# KiCad board m-blanc.kicad_pcb (continued)
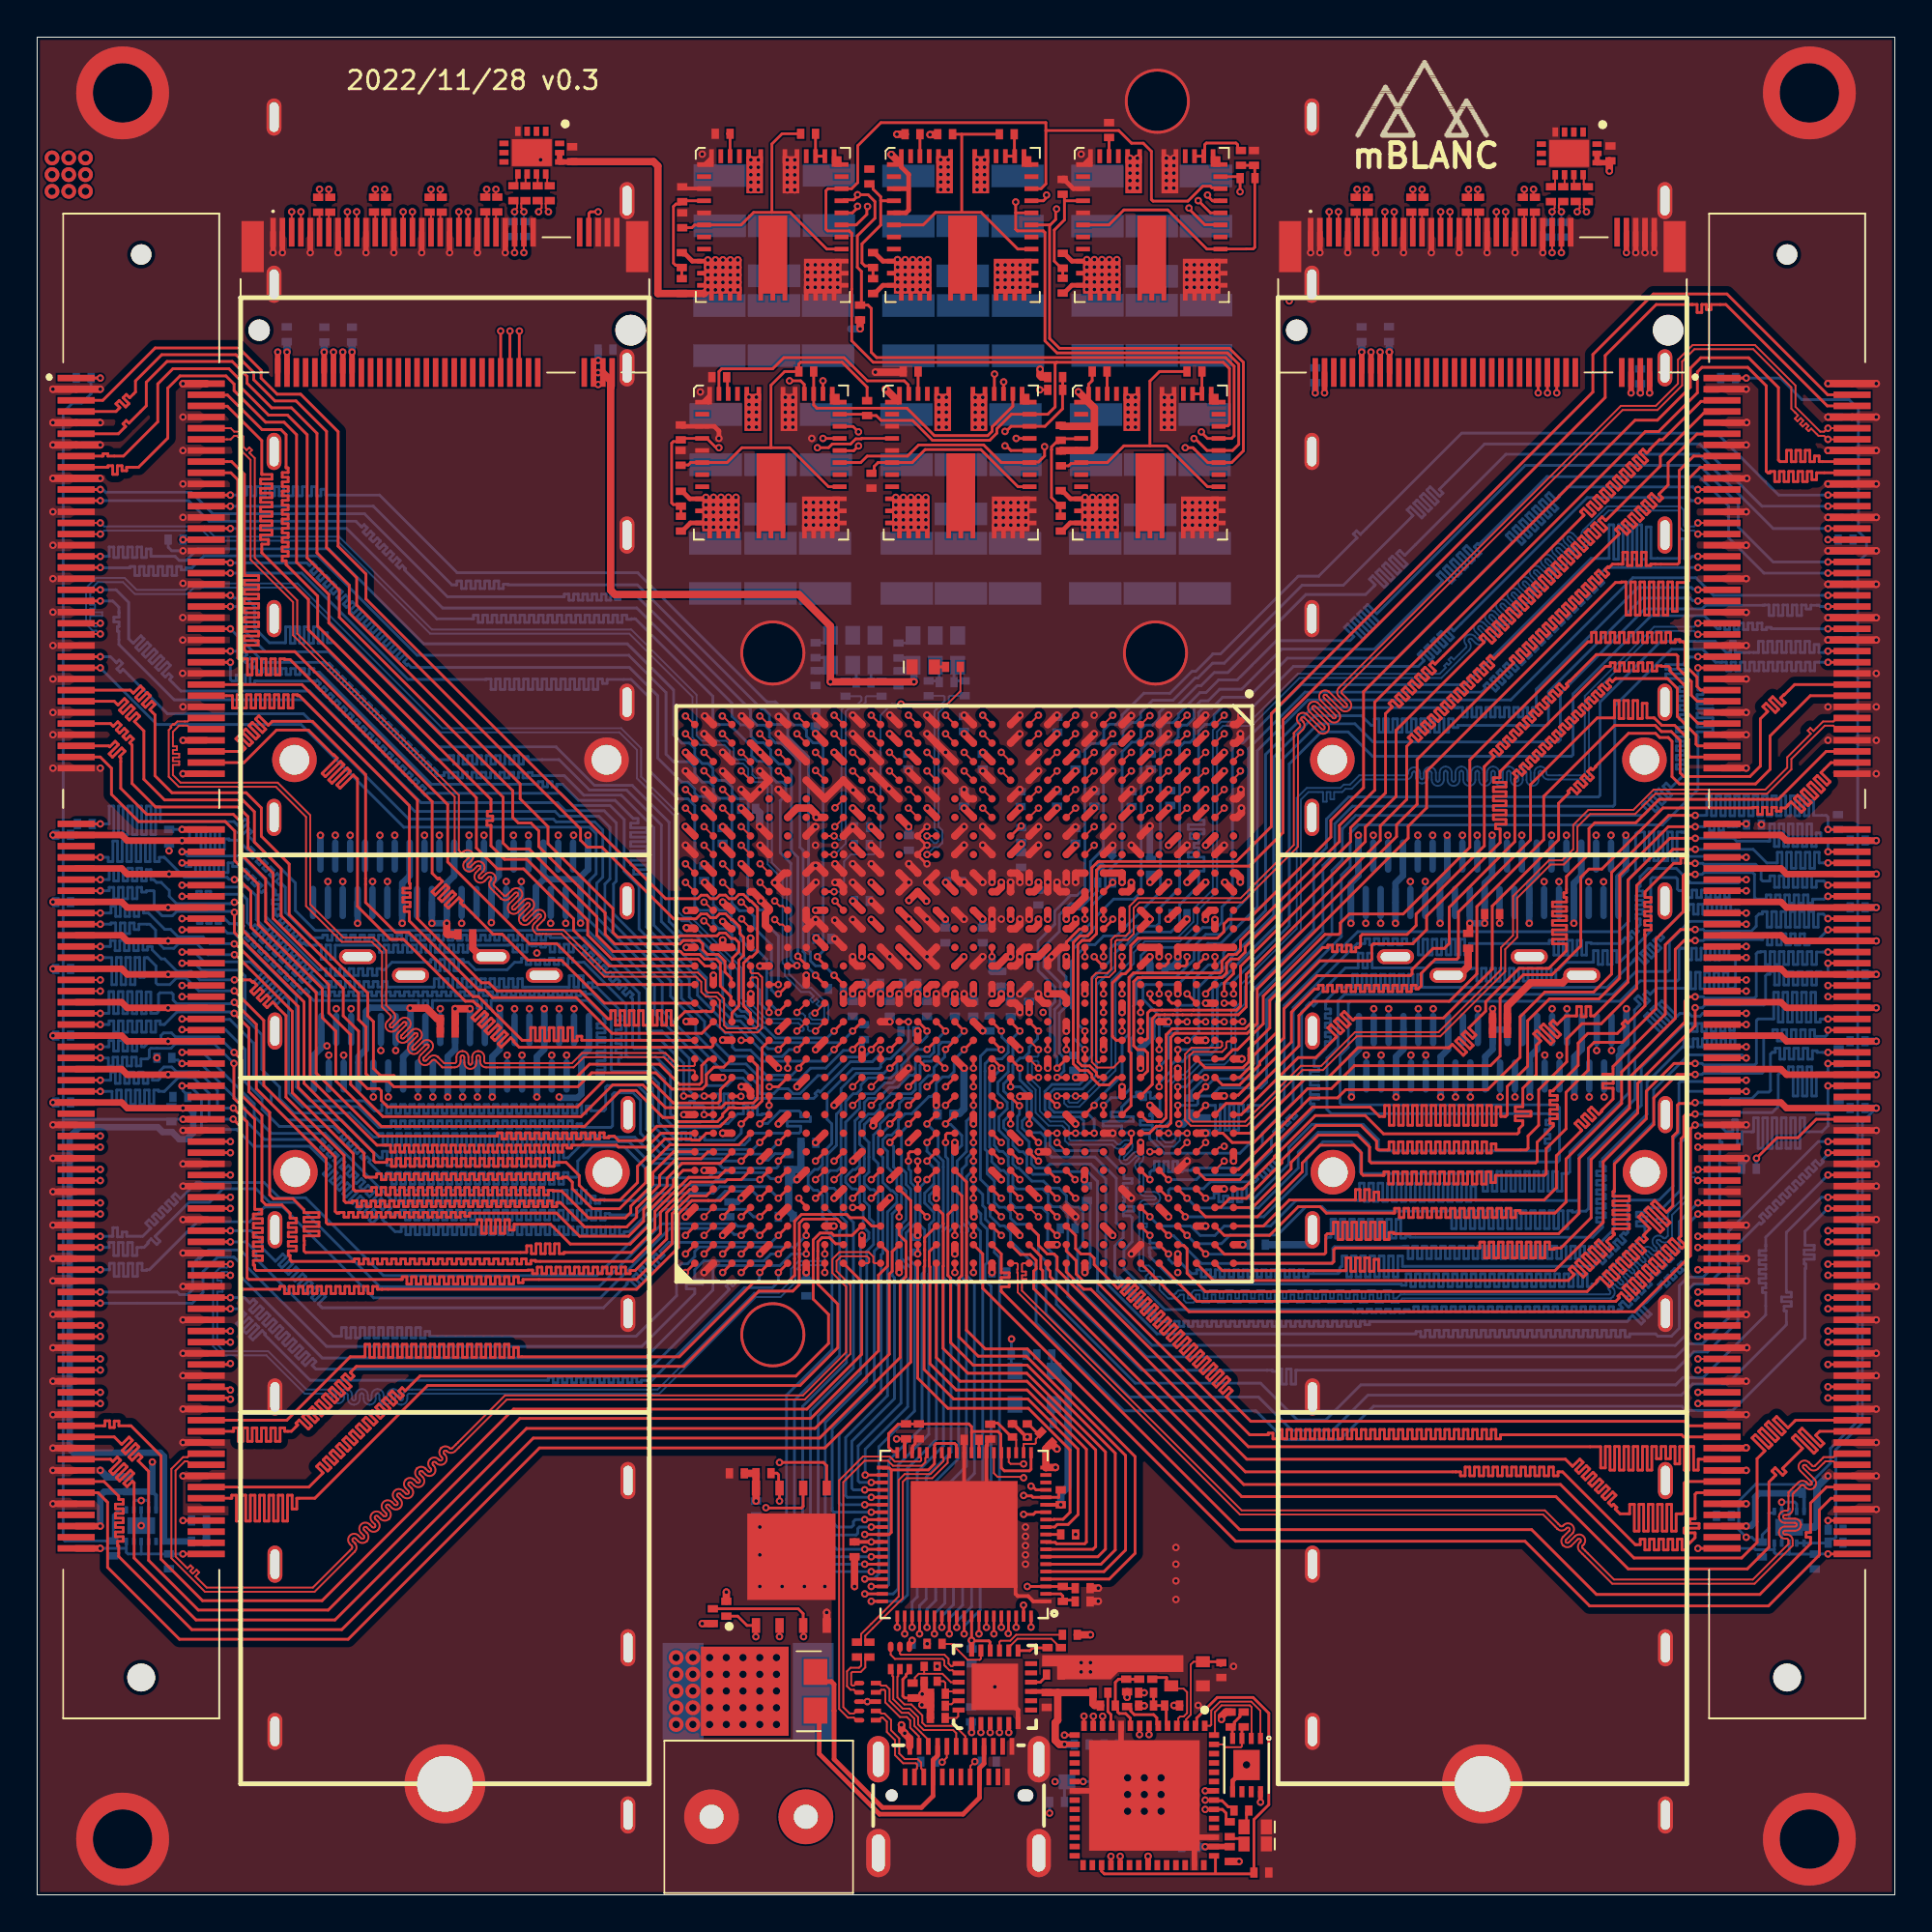
[diagram p0: board, top side]
## Routing (per net, layer and track width the routed paths; a pad name or vN(x,y) marks a point on that pad's centre or on a via; arc(x,y) is an arc through that point) (continued)
  Bottom Layer w0.1: QSFP+ #2.34 v1(73.92,54.55)
QSFP2_TX3_P: length 62.7
  Top Layer w0.1: v1(50.9,62.5) U1.P2
  InLayer2 (Signal) w0.1: 72.21,55.29 74.24,55.29 74.43,55.1 74.43,54.67 74.5,54.61 74.7,54.61 74.71,54.6 ; 72.21,55.29 72,55.29 ; 72.21,55.29 72,55.29 ; 68.07,55.31 68.21,55.17 ; 68.07,55.31 67.69,55.31 ; 68.07,55.31 67.69,55.31 ; 68.07,55.31 68.21,55.17 ; 68.21,55.17 68.21,54.62 ; 68.21,55.17 68.21,54.62 ; 71.61,54.62 71.81,54.62 ; 71.61,54.62 71.81,54.62 ; 71.61,54.62 71.61,55.17 ; 71.61,54.62 71.61,55.17 ; 71.81,54.62 71.81,55.1 ; 71.81,54.62 71.81,55.1 ; 67.69,55.31 67.56,55.17 ; 67.69,55.31 67.56,55.17 ; 69.39,55.31 69.77,55.31 ; 69.39,55.31 69.26,55.17 ; 69.39,55.31 69.26,55.17 ; 69.39,55.31 69.77,55.31 ; 69.77,55.31 69.91,55.17 ; 69.77,55.31 69.91,55.17 ; 67.56,55.17 67.56,54.62 ; 67.56,55.17 67.56,54.62 ; 69.91,54.62 70.11,54.62 ; 69.91,54.62 70.11,54.62 ; 69.91,54.62 69.91,55.17 ; 69.91,54.62 69.91,55.17 ; 70.11,54.62 70.11,55.17 ; 70.11,54.62 70.11,55.17 ; 69.26,55.17 69.26,54.62 ; 69.26,55.17 69.26,54.62 ; 71.81,55.1 72,55.29 ; 71.81,55.1 72,55.29 ; 71.47,55.31 71.61,55.17 ; 71.47,55.31 71.09,55.31 ; 71.47,55.31 71.09,55.31 ; 71.47,55.31 71.61,55.17 ; 69.06,54.62 69.06,55.17 ; 69.06,54.62 69.26,54.62 ; 69.06,54.62 69.06,55.17 ; 69.06,54.62 69.26,54.62 ; 69.06,55.17 68.92,55.31 ; 69.06,55.17 68.92,55.31 ; 68.21,54.62 68.41,54.62 ; 68.21,54.62 68.41,54.62 ; 66.71,55.17 66.84,55.31 ; 66.71,55.17 66.84,55.31 ; 66.71,55.17 66.71,55.01 ; 66.71,55.17 66.71,55.01 ; 66.84,55.31 67.22,55.31 ; 66.84,55.31 67.22,55.31 ; 70.96,55.17 71.09,55.31 ; 70.96,55.17 71.09,55.31 ; 70.96,55.17 70.96,54.62 ; 70.96,55.17 70.96,54.62 ; 70.62,55.31 70.76,55.17 ; 70.62,55.31 70.24,55.31 ; 70.62,55.31 70.24,55.31 ; 70.62,55.31 70.76,55.17 ; 70.76,55.17 70.76,54.62 ; 70.76,55.17 70.76,54.62 ; 67.56,54.62 67.36,54.62 ; 67.56,54.62 67.36,54.62 ; 68.54,55.31 68.92,55.31 ; 68.54,55.31 68.41,55.17 ; 68.54,55.31 68.41,55.17 ; 68.54,55.31 68.92,55.31 ; 67.36,54.62 67.36,55.17 ; 67.36,54.62 67.36,55.17 ; 67.36,55.17 67.22,55.31 ; 67.36,55.17 67.22,55.31 ; 70.11,55.17 70.24,55.31 ; 70.11,55.17 70.24,55.31 ; 66.32,55.29 66.51,55.1 ; 66.32,55.29 65.9,55.29 ; 66.32,55.29 66.51,55.1 ; 66.32,55.29 65.9,55.29 ; 66.51,55.1 66.51,55.01 ; 66.51,55.1 66.51,55.01 ; 65.9,55.29 65.77,55.29 65.18,54.7 65.18,54.21 65.11,54.14 49.56,54.14 49.48,54.23 49.48,55.27 49.53,55.33 49.84,55.33 49.98,55.46 49.98,55.84 49.84,55.98 49.2,55.98 49.2,56.18 49.42,56.18 49.55,56.31 49.55,56.69 49.42,56.83 49.2,56.83 49.2,57.03 49.42,57.03 49.55,57.16 49.55,57.54 49.42,57.68 49.2,57.68 49.2,57.88 49.28,57.88 49.48,58.07 49.48,59.58 49.77,59.88 50.19,59.88 50.5,60.18 50.5,61.95 50.68,61.95 50.68,62.15 50.5,62.15 50.5,62.69 50.7,62.89 50.84,62.89 50.9,62.83 v1(50.9,62.5) ; 68.41,55.17 68.41,54.62 ; 68.41,55.17 68.41,54.62 ; 70.96,54.62 70.76,54.62 ; 70.96,54.62 70.76,54.62 ; 66.51,55.01 66.71,55.01 ; 66.51,55.01 66.71,55.01
  Bottom Layer w0.1: QSFP+ #2.33 v1(74.72,54.55)
QSFP2_TX4_N: length 50.2
  Top Layer w0.1: v1(51.9,61.5) U1.N3
  InLayer2 (Signal) w0.1: v1(51.9,61.5) 51.9,61.17 51.82,61.09 51.64,61.09 51.33,60.77 51.33,59.57 51.76,59.14 51.76,55.58 51.98,55.37 64.46,55.37 64.91,55.82 64.91,55.98 64.97,56.04 73.53,56.04 73.75,56.26 73.75,58.32 73.81,58.38 73.95,58.38 74.14,58.57 74.14,58.96 74.34,58.96 74.34,58.17 74.47,58.04 74.86,58.04 74.99,58.17 74.99,59.3 75.19,59.3 75.19,58.17 75.32,58.04 75.71,58.04 75.84,58.17 75.84,59.3 76.04,59.3 76.04,58.17 76.17,58.04 76.56,58.04 76.69,58.17 76.69,59.3 76.89,59.3 76.89,58.17 77.02,58.04 77.41,58.04 77.54,58.17 77.54,58.32 77.6,58.38 77.84,58.38 77.9,58.32 77.9,57.67 77.84,57.62 74.88,57.62 74.61,57.34 74.61,57.16 74.54,57.1 74.46,57.1 74.4,57.04
  Bottom Layer w0.1: QSFP+ #2.5 v1(74.32,57.04)
QSFP2_TX4_P: length 50.4
  Top Layer w0.1: v1(51.9,60.5) U1.N4
  InLayer2 (Signal) w0.1: v1(75.12,57.04) 75.06,57.1 74.9,57.1 74.83,57.16 74.83,57.25 74.98,57.39 77.93,57.39 78.13,57.58 78.13,57.89 78.37,57.89 78.37,58.09 78.13,58.09 78.13,58.41 77.93,58.6 77.51,58.6 77.32,58.41 77.32,58.27 77.12,58.27 77.12,59.4 76.99,59.53 76.6,59.53 76.47,59.4 76.47,58.27 76.27,58.27 76.27,59.4 76.14,59.53 75.75,59.53 75.62,59.4 75.62,58.27 75.42,58.27 75.42,59.4 75.29,59.53 74.9,59.53 74.77,59.4 74.77,58.27 74.57,58.27 74.57,59.06 74.44,59.19 74.05,59.19 73.92,59.06 73.92,58.66 73.86,58.6 73.72,58.6 73.53,58.41 73.53,56.35 73.44,56.27 64.88,56.27 64.69,56.07 64.69,55.91 64.36,55.59 52.07,55.59 51.98,55.68 51.98,59.23 51.55,59.67 51.55,60.68 51.74,60.87 51.82,60.87 51.88,60.81 51.88,60.52 v1(51.9,60.5)
  Bottom Layer w0.1: QSFP+ #2.6 v1(75.12,57.04)
QSFP3_RX1_N: length 35.7
  Top Layer w0.1: v1(36.9,59.5) U1.AH5
  InLayer2 (Signal) w0.1: v1(36.9,59.5) 36.9,59.17 36.84,59.11 35.47,59.11 35.28,58.92 35.28,58.38 34.99,58.1 34.56,58.1 33.98,57.53 32.77,57.53 31.8,56.55 31.65,56.7 31.51,56.56 31.66,56.41 29.5,54.25 29.5,53.18 29.44,53.12 27.53,53.12 26.98,52.57 26.98,52.15 26.78,51.95 20.36,51.95 20.3,52.01 20.3,52.63 20.36,52.69 26.71,52.69 28.58,54.56 28.58,56.74 v1(28.88,57.04)
  Bottom Layer w0.1: v1(28.88,57.04) 28.86,57.03 28.86,55.93 QSFP+ #3.18
QSFP3_RX1_P: length 35.6
  Top Layer w0.1: v1(36.9,58.5) U1.AH6
  InLayer2 (Signal) w0.1: v1(28.05,57.04) 28.35,56.74 28.35,54.65 26.61,52.91 20.27,52.91 20.08,52.72 20.08,51.92 20.27,51.73 26.87,51.73 27.2,52.05 27.2,52.48 27.62,52.9 29.53,52.9 29.73,53.09 29.73,54.16 32.87,57.3 34.08,57.3 34.65,57.88 35.09,57.88 35.5,58.29 35.5,58.83 35.56,58.89 36.84,58.89 36.9,58.83 v1(36.9,58.5)
  Bottom Layer w0.1: QSFP+ #3.17 v1(28.05,57.04)
QSFP3_RX2_N: length 35.6
  Top Layer w0.1: v1(37.9,61.5) U1.AG3
  InLayer2 (Signal) w0.1: v1(28.45,52.3) 28.4,52.24 28.22,52.24 28.16,52.18 28.16,52.01 28.16,52 28.16,51.53 27.8,51.18 21.79,51.18 21.73,51.12 21.73,49.96 21.79,49.9 25.62,49.9 26.02,50.3 29.91,50.3 29.97,50.36 29.97,53.58 31.95,55.55 32.28,55.88 32.15,56.02 32.29,56.16 32.42,56.02 32.6,56.2 33.5,57.1 34.98,57.1 35.31,57.43 35.31,57.72 35.74,58.15 37.04,58.15 37.25,58.36 37.25,60.75 37.61,61.11 37.84,61.11 37.9,61.17 v1(37.9,61.5)
  Bottom Layer w0.1: v1(28.45,52.3) 28.45,52.3 28.45,53.42 QSFP+ #3.21
QSFP3_RX2_P: length 35.6
  Top Layer w0.1: v1(37.9,60.5) U1.AG4
  InLayer2 (Signal) w0.1: v1(27.64,52.3) 27.7,52.24 27.87,52.24 27.93,52.18 27.93,52.1 27.93,52.1 27.93,51.63 27.71,51.4 21.7,51.4 21.51,51.21 21.51,49.87 21.7,49.68 25.71,49.68 26.11,50.08 30.01,50.08 30.2,50.27 30.2,53.48 33.59,56.88 35.07,56.88 35.53,57.33 35.53,57.63 35.83,57.93 37.14,57.93 37.47,58.26 37.47,60.66 37.7,60.89 37.84,60.89 37.9,60.83 v1(37.9,60.5)
  Bottom Layer w0.1: v1(27.64,52.3) 27.65,52.31 27.65,53.42 QSFP+ #3.22
QSFP3_RX3_N: length 36.4
  Top Layer w0.1: v1(39.9,61.5) U1.AE3
  InLayer2 (Signal) w0.1: 25.64,57.02 25.69,57.08 25.87,57.08 25.93,57.14 25.93,58.05 26.18,58.3 26.45,58.3 27.03,57.72 27.17,57.86 26.59,58.44 26.59,58.71 27.07,59.19 27.21,59.19 28.34,59.19 28.53,59 28.53,58.23 28.73,58.23 28.73,59.08 28.87,59.21 29.25,59.21 29.38,59.08 29.38,58.23 29.58,58.23 29.58,59.08 29.72,59.21 30.1,59.21 30.23,59.08 30.23,58.23 30.43,58.23 30.43,59.08 30.57,59.21 30.95,59.21 31.08,59.08 31.08,58.23 31.28,58.23 31.28,59 31.48,59.19 31.69,59.19 32.63,60.14 32.94,60.14 33.13,59.94 33.13,58.52 33.33,58.52 33.33,60.57 33.46,60.7 33.85,60.7 33.98,60.57 33.98,59.52 34.18,59.52 34.18,59.94 34.37,60.14 36.22,60.14 36.28,60.19 36.28,60.91 36.47,61.1 36.99,61.1 37.25,61.36 37.25,61.77 37.61,62.12 38.09,62.12 38.51,61.7 38.51,60.18 38.57,60.12 39.22,60.12 39.28,60.18 39.28,60.92 39.47,61.11 39.84,61.11 39.9,61.17 v1(39.9,61.5)
  Bottom Layer w0.1: QSFP+ #3.14 25.64,55.93 25.64,57.03 v1(25.64,57.04)
QSFP3_RX3_P: length 36.4
  Top Layer w0.1: v1(39.9,60.5) U1.AE4
  InLayer2 (Signal) w0.1: v1(26.45,57.04) 26.39,57.09 26.22,57.09 26.15,57.16 26.15,57.96 26.27,58.07 26.35,58.07 26.93,57.49 27.12,57.49 27.39,57.77 27.39,57.95 26.81,58.53 26.81,58.61 27.17,58.97 28.25,58.97 28.31,58.91 28.31,58.14 28.44,58 28.83,58 28.96,58.14 28.96,58.98 29.16,58.98 29.16,58.14 29.29,58 29.68,58 29.81,58.14 29.81,58.98 30.01,58.98 30.01,58.14 30.14,58 30.53,58 30.66,58.14 30.66,58.98 30.86,58.98 30.86,58.14 30.99,58 31.38,58 31.51,58.14 31.51,58.91 31.57,58.97 31.78,58.97 32.11,59.29 32.24,59.16 32.39,59.3 32.25,59.43 32.73,59.91 32.85,59.91 32.9,59.85 32.9,58.43 33.04,58.3 33.42,58.3 33.55,58.43 33.55,60.47 33.75,60.47 33.75,59.42 33.89,59.29 34.27,59.29 34.4,59.42 34.4,59.85 34.46,59.91 36.31,59.91 36.5,60.1 36.5,60.82 36.56,60.88 37.09,60.88 37.47,61.26 37.47,61.67 37.7,61.9 38,61.9 38.29,61.61 38.29,60.09 38.48,59.9 39.32,59.9 39.51,60.09 39.51,60.83 39.56,60.89 39.84,60.89 39.9,60.83 v1(39.9,60.5)
  Bottom Layer w0.1: QSFP+ #3.15 26.45,55.92 26.45,57.04 v1(26.45,57.04)
QSFP3_RX4_N: length 37
  Top Layer w0.1: v1(41.9,61.5) U1.AC3
  InLayer2 (Signal) w0.1: v1(26.06,54.55) 26,54.49 25.83,54.49 25.77,54.43 25.77,54.16 25.58,53.97 24.71,53.97 24.52,54.16 24.52,59.95 25.61,61.04 25.61,61.13 25.48,61.26 25.48,61.45 25.75,61.72 25.94,61.72 26.3,61.35 26.45,61.5 26.08,61.86 26.08,62.05 26.35,62.32 26.54,62.32 26.91,61.96 27.05,62.1 26.99,62.15 26.99,62.42 27.49,62.93 31.46,62.93 32.31,62.08 36.96,62.08 37.29,62.4 37.29,63.8 37.51,64.03 42.34,64.03 42.53,63.84 42.53,62.33 42.11,61.91 41.81,61.91 41.55,61.65 41.55,61.32 41.74,61.12 41.83,61.12 41.89,61.18 41.89,61.49 v1(41.9,61.5)
  Bottom Layer w0.1: v1(26.06,54.55) 26.06,54.54 26.06,53.43 QSFP+ #3.24
QSFP3_RX4_P: length 36.9
  Top Layer w0.1: U1.AC4 42.4,60.01 41.9,60.51 v1(41.9,60.52)
  InLayer2 (Signal) w0.1: v1(25.25,54.55) 25.31,54.49 25.48,54.49 25.54,54.43 25.54,54.26 25.49,54.2 24.8,54.2 24.74,54.26 24.74,59.86 25.84,60.95 25.84,61.22 25.7,61.35 25.84,61.5 26.21,61.13 26.4,61.13 26.67,61.4 26.67,61.59 26.3,61.96 26.45,62.1 26.81,61.73 27,61.73 27.27,62 27.27,62.19 27.22,62.25 27.22,62.33 27.59,62.7 28.65,62.7 28.65,62.37 28.85,62.37 28.85,62.7 29.05,62.7 29.05,62.5 29.25,62.5 29.25,62.7 31.37,62.7 32.21,61.85 37.05,61.85 37.51,62.31 37.51,63.71 37.6,63.8 42.25,63.8 42.31,63.75 42.31,62.42 42.02,62.13 41.72,62.13 41.32,61.74 41.32,61.23 41.65,60.9 41.83,60.9 41.89,60.84 41.89,60.54 v1(41.9,60.52)
  Bottom Layer w0.1: QSFP+ #3.25 v1(25.25,54.55)
QSFP3_TX1_N: length 35
  Top Layer w0.1: v1(34.9,59.5) U1.AK5
  InLayer2 (Signal) w0.1: v1(34.9,59.5) 34.84,59.44 34.84,59.17 34.78,59.11 34.41,59.11 34.08,58.78 34.08,58.4 33.67,58 32.1,58 31.82,57.72 27.92,57.72 27.44,57.24 27.44,56.55 27.18,56.55 27.18,56.35 27.44,56.35 27.44,56.15 27.11,56.15 27.11,55.95 27.44,55.95 27.44,54.47 26.31,53.34 16.89,53.34 16.7,53.53 16.32,53.53 16.19,53.4 16.19,53.27 15.99,53.27 15.99,53.68 15.85,53.81 15.47,53.81 15.34,53.68 15.34,53.19 15.14,53.19 15.14,53.73 15,53.86 14.62,53.86 14.49,53.73 14.49,53.4 14.43,53.34 14.08,53.34 14.03,53.4 14.03,55.01 14.08,55.06 15.88,55.06 15.94,55.01 15.94,54.67 15.87,54.61 15.71,54.61 v1(15.65,54.55)
  Bottom Layer w0.1: QSFP+ #3.37 v1(15.65,54.55)
QSFP3_TX1_P: length 35.1
  Top Layer w0.1: v1(34.9,58.5) U1.AK6
  InLayer2 (Signal) w0.1: v1(16.45,54.55) 16.39,54.61 16.23,54.61 16.16,54.67 16.16,55.1 15.97,55.29 14.65,55.29 14.65,55.35 14.45,55.35 14.45,55.29 13.99,55.29 13.8,55.1 13.8,53.3 13.99,53.11 14.52,53.11 14.71,53.3 14.71,53.63 14.91,53.63 14.91,53.1 15.04,52.97 15.43,52.97 15.56,53.1 15.56,53.58 15.76,53.58 15.76,53.18 15.89,53.05 16.28,53.05 16.41,53.18 16.41,53.3 16.61,53.3 16.8,53.11 26.4,53.11 27.67,54.38 27.67,57.15 28.01,57.5 30.85,57.5 30.85,57.48 31.05,57.48 31.05,57.5 31.92,57.5 32.19,57.77 33.77,57.77 34.3,58.31 34.3,58.69 34.5,58.89 34.78,58.89 34.84,58.83 34.84,58.56 v1(34.9,58.5)
  Bottom Layer w0.1: QSFP+ #3.36 v1(16.45,54.55)
QSFP3_TX2_N: length 32.7
  Top Layer w0.1: v1(35.9,61.5) U1.AJ3
  InLayer2 (Signal) w0.1: v1(35.9,61.5) 35.84,61.44 35.84,61.18 35.78,61.12 35.29,61.12 32.98,61.12 31.49,59.63 26.76,59.63 25.06,57.93 25.06,56.05 26.41,54.69 26.41,54.23 25.95,53.77 18.25,53.77 17.7,54.32 17.7,57.05 17.13,57.63 16.53,57.63 16.34,57.44 16.34,57.16 16.27,57.1 16.11,57.1 v1(16.05,57.04)
  Bottom Layer w0.1: QSFP+ #3.2 v1(16.05,57.04)
QSFP3_TX2_P: length 32.7
  Top Layer w0.1: v1(35.89,60.51) U1.AJ4
  InLayer2 (Signal) w0.1: v1(16.85,57.04) 16.79,57.1 16.63,57.1 16.56,57.16 16.56,57.34 16.62,57.4 17.03,57.4 17.48,56.96 17.48,56.15 17.32,56.15 17.32,55.95 17.48,55.95 17.48,54.23 18.16,53.54 26.04,53.54 26.64,54.14 26.64,54.79 25.28,56.14 25.28,57.84 26.85,59.41 31.59,59.41 33.08,60.9 35.78,60.9 35.84,60.84 35.84,60.56 v1(35.89,60.51)
  Bottom Layer w0.1: QSFP+ #3.3 v1(16.85,57.04)
QSFP3_TX3_N: length 30.7
  Top Layer w0.1: v1(34.9,63.45) 34.92,63.45 35.38,63 U1.AK1
  InLayer2 (Signal) w0.1: v1(34.9,63.45) 34.9,63.15 34.84,63.09 33.78,63.09 33.72,63.15 33.72,64.7 32.72,65.7 27.4,65.7 24.44,62.74 24.21,62.51 24.13,62.51 23.87,62.77 23.68,62.77 23.41,62.5 23.41,62.32 24.15,61.58 24.01,61.43 23.25,62.19 23.06,62.19 22.79,61.92 22.79,61.74 23.07,61.45 23.07,61.37 22.99,61.29 20,58.3 20,56.18 19.94,56.12 18.53,56.12 18.34,55.93 18.34,54.67 18.28,54.61 18.11,54.61 v1(18.06,54.55)
  Bottom Layer w0.1: v1(18.06,54.55) 18.05,54.55 18.05,53.42 QSFP+ #3.34
QSFP3_TX3_P: length 30.8
  Top Layer w0.1: v1(34.9,62.5) U1.AK2
  InLayer2 (Signal) w0.1: v1(18.86,54.55) 18.8,54.61 18.63,54.61 18.57,54.67 18.57,55.3 18.76,55.3 18.76,55.5 18.57,55.5 18.57,55.84 18.63,55.9 20.03,55.9 20.23,56.09 20.23,58.21 23.15,61.13 23.3,61.28 23.3,61.55 23.01,61.83 23.15,61.97 23.91,61.21 24.1,61.21 24.37,61.48 24.37,61.67 23.64,62.41 23.78,62.55 24.04,62.29 24.31,62.29 27.49,65.48 32.63,65.48 33.49,64.61 33.49,63.06 33.68,62.86 34.84,62.86 34.9,62.81 v1(34.9,62.5)
  Bottom Layer w0.1: QSFP+ #3.33 18.85,53.42 18.85,54.55 v1(18.86,54.55)
QSFP3_TX4_N: length 33.1
  Top Layer w0.1: v1(36.88,63.45) 36.91,63.45 37.37,63 U1.AH1
  InLayer2 (Signal) w0.1: v1(36.88,63.45) 36.88,63.45 36.88,63.15 36.83,63.09 36.73,63.09 36.58,63.24 36.58,64.24 34.33,66.49 25.73,66.49 21.88,62.64 21.88,62.37 22.12,62.13 21.98,61.99 21.37,62.59 21.18,62.59 20.91,62.32 20.91,62.13 21.52,61.53 21.38,61.38 20.77,61.99 20.58,61.99 20.31,61.72 20.31,61.53 20.92,60.92 20.77,60.78 20.17,61.39 19.98,61.39 19.71,61.12 19.71,60.93 19.9,60.74 19.9,60.66 18.74,59.49 18.74,57.33 v1(18.45,57.04)
  Bottom Layer w0.1: QSFP+ #3.5 v1(18.45,57.04)
QSFP3_TX4_P: length 33
  Top Layer w0.1: U1.AH2 37.4,62 36.89,62.5 v1(36.89,62.5)
  InLayer2 (Signal) w0.1: v1(19.25,57.04) 18.96,57.33 18.96,58.35 19.11,58.35 19.11,58.55 18.96,58.55 18.96,59.4 20.12,60.56 20.12,60.83 19.93,61.02 20.07,61.16 20.68,60.56 20.87,60.56 21.14,60.83 21.14,61.02 20.53,61.62 20.68,61.77 21.28,61.16 21.47,61.16 21.74,61.43 21.74,61.62 21.14,62.23 21.28,62.37 21.88,61.76 22.07,61.76 22.34,62.03 22.34,62.22 22.1,62.46 22.1,62.54 25.83,66.26 34.24,66.26 36.35,64.15 36.35,63.15 36.63,62.87 36.83,62.87 36.88,62.81 36.88,62.51 v1(36.89,62.5)
  Bottom Layer w0.1: QSFP+ #3.6 v1(19.25,57.04)
QSFP4_RX1_N: length 38.7
  Top Layer w0.1: v1(36.9,55.5) U1.AH9
  InLayer2 (Signal) w0.1: v1(15.7,45.2) 15.78,45.2 15.98,45 15.98,44.92 15.86,44.8 15.47,44.8 15.25,45.02 15.25,46.45 15.47,46.45 15.47,46.65 15.25,46.65 15.25,47.51 16.37,48.63 18.04,48.63 23.3,43.38 29,43.38 32.58,46.95 32.58,47.73 35.9,51.06 35.9,51.63 36.5,52.23 36.5,52.7 36.66,52.86 37.13,52.86 37.52,53.25 37.52,54.73 37.13,55.11 36.96,55.11 36.9,55.17 v1(36.9,55.5)
  Bottom Layer w0.1: QSFP+ #4.18 v1(15.7,45.2)
QSFP4_RX1_P: length 38.8
  Top Layer w0.1: v1(36.9,54.5) U1.AH10
  InLayer2 (Signal) w0.1: v1(36.9,54.5) 36.9,54.83 36.96,54.89 37.04,54.89 37.29,54.63 37.29,54.02 37.23,54.02 37.23,53.82 37.29,53.82 37.29,53.34 37.04,53.08 36.57,53.08 36.28,52.79 36.28,52.32 35.67,51.72 35.67,51.15 32.35,47.83 32.35,47.05 28.9,43.6 23.39,43.6 18.14,48.85 16.28,48.85 15.03,47.6 15.03,44.93 15.38,44.58 15.96,44.58 16.21,44.82 16.21,44.99 16.42,45.2 v1(16.5,45.2)
  Bottom Layer w0.1: QSFP+ #4.17 16.5,44.08 16.5,45.2 v1(16.5,45.2)
QSFP4_RX2_N: length 38.8
  Top Layer w0.1: v1(37.9,53.44) 37.93,53.44 38.37,53 U1.AG11
  InLayer2 (Signal) w0.1: v1(16.1,47.7) 16.16,47.76 16.32,47.76 16.39,47.82 16.39,48.13 16.58,48.32 17.65,48.32 19.92,46.05 19.92,45.35 19.98,45.29 20.67,45.29 20.8,45.16 20.8,44.77 20.67,44.64 19.28,44.64 19.28,44.44 20.6,44.44 20.73,44.31 20.73,43.92 20.6,43.79 19.73,43.79 19.73,43.59 19.92,43.4 19.92,42.65 19.99,42.59 25.55,42.59 25.55,42.65 25.75,42.65 25.75,42.59 28.61,42.59 33.01,47 33.01,47.76 36.1,50.84 36.1,51.41 36.71,52.02 37.08,52.02 37.35,52.29 37.35,52.77 37.68,53.1 37.83,53.1 37.89,53.16 37.89,53.43 v1(37.9,53.44)
  Bottom Layer w0.1: QSFP+ #4.21 v1(16.1,47.7)
QSFP4_RX2_P: length 38.8
  Top Layer w0.1: U1.AG12 38.4,52.03 37.93,52.51 v1(37.93,52.54)
  InLayer2 (Signal) w0.1: v1(16.9,47.7) 16.84,47.76 16.68,47.76 16.61,47.82 16.61,48.04 16.67,48.1 17.56,48.1 18.05,47.6 17.9,47.45 18.04,47.31 18.2,47.46 19.7,45.96 19.7,45.26 19.89,45.07 20.58,45.07 20.58,44.87 19.19,44.87 19.06,44.74 19.06,44.35 19.19,44.22 20.51,44.22 20.51,44.02 19.64,44.02 19.51,43.89 19.51,43.5 19.7,43.31 19.7,42.56 19.89,42.36 28.7,42.36 33.24,46.9 33.24,47.66 36.33,50.75 36.33,51.32 36.8,51.8 37.17,51.8 37.58,52.2 37.58,52.68 37.77,52.87 37.85,52.87 37.91,52.82 37.91,52.55 v1(37.93,52.54)
  Bottom Layer w0.1: QSFP+ #4.22 v1(16.9,47.7)
QSFP4_RX3_N: length 36.4
  Top Layer w0.1: U1.AF9 39.4,55.01 38.92,55.49 v1(38.92,55.5)
  InLayer2 (Signal) w0.1: v1(18.9,42.95) 18.84,42.89 18.68,42.89 18.61,42.83 18.61,42.16 18.67,42.1 19,42.1 19.19,41.91 19.19,41.88 19.39,41.88 19.39,42.02 19.52,42.15 19.91,42.15 20.04,42.02 20.04,41.85 20.24,41.85 20.24,42.02 20.37,42.15 20.76,42.15 20.89,42.02 20.89,41.85 21.09,41.85 21.09,42.02 21.22,42.15 21.61,42.15 21.74,42.02 21.74,41.85 21.94,41.85 21.94,42.02 22.07,42.15 22.46,42.15 22.59,42.02 22.59,41.85 22.79,41.85 22.79,42.02 22.92,42.15 23.31,42.15 23.44,42.02 23.44,41.85 23.64,41.85 23.64,42.02 23.77,42.15 24.16,42.15 24.29,42.02 24.29,41.85 24.49,41.85 24.49,42.02 24.62,42.15 25.01,42.15 25.14,42.02 25.14,41.85 25.34,41.85 25.34,42.02 25.47,42.15 25.86,42.15 25.99,42.02 25.99,41.85 26.19,41.85 26.19,41.91 26.38,42.1 26.59,42.1 28.91,42.1 33.76,46.94 33.76,47.76 37.28,51.28 37.28,51.62 37.74,52.08 37.98,52.08 38.34,52.44 38.34,53.77 38.26,53.85 37.94,53.85 37.75,54.04 37.75,54.92 37.94,55.11 38.28,55.11 38.28,55.4 38.48,55.4 38.48,55.11 38.86,55.11 38.92,55.17 v1(38.92,55.5)
  Bottom Layer w0.1: v1(18.9,42.95) QSFP+ #4.14
QSFP4_RX3_P: length 36.3
  Top Layer w0.1: v1(38.92,54.5) 38.92,54.49 39.4,54.01 U1.AF10
  InLayer2 (Signal) w0.1: v1(18.1,42.95) 18.16,42.89 18.32,42.89 18.39,42.83 18.39,42.06 18.58,41.87 18.91,41.87 18.97,41.82 18.97,41.79 19.1,41.66 19.48,41.66 19.62,41.79 19.62,41.93 19.82,41.93 19.82,41.76 19.95,41.63 20.33,41.63 20.47,41.76 20.47,41.93 20.67,41.93 20.67,41.76 20.8,41.63 21.18,41.63 21.32,41.76 21.32,41.93 21.52,41.93 21.52,41.76 21.65,41.63 22.03,41.63 22.17,41.76 22.17,41.93 22.37,41.93 22.37,41.76 22.5,41.63 22.88,41.63 23.02,41.76 23.02,41.93 23.22,41.93 23.22,41.76 23.35,41.63 23.73,41.63 23.87,41.76 23.87,41.93 24.07,41.93 24.07,41.76 24.2,41.63 24.58,41.63 24.72,41.76 24.72,41.93 24.92,41.93 24.92,41.76 25.05,41.63 25.43,41.63 25.57,41.76 25.57,41.93 25.77,41.93 25.77,41.76 25.9,41.63 26.28,41.63 26.42,41.76 26.42,41.82 26.47,41.87 27.55,41.87 27.55,41.8 27.75,41.8 27.75,41.87 29.01,41.87 33.98,46.85 33.98,47.66 37.51,51.18 37.51,51.53 37.83,51.85 38.07,51.85 38.57,52.35 38.57,53.87 38.36,54.08 38.03,54.08 37.97,54.13 37.97,54.83 38.03,54.89 38.84,54.89 38.89,54.83 38.89,54.52 v1(38.92,54.5)
  Bottom Layer w0.1: v1(18.1,42.95) QSFP+ #4.15
QSFP4_RX4_N: length 39.5
  Top Layer w0.1: U1.AE11 40.36,53 40.13,53.23 39.97,53.23 v1(39.7,53.5)
  InLayer2 (Signal) w0.1: v1(18.5,45.45) 18.56,45.51 18.72,45.51 18.79,45.57 18.79,45.96 18.56,46.18 17.59,46.18 17.32,45.91 17.32,45.29 17.38,45.23 17.51,45.23 17.64,45.1 17.64,44.71 17.51,44.58 16.97,44.58 16.97,44.38 17.13,44.38 17.32,44.19 17.32,43.68 17.53,43.68 17.53,43.48 17.32,43.48 17.32,43.28 17.53,43.28 17.53,43.08 17.32,43.08 17.32,42.88 17.53,42.88 17.53,42.68 17.32,42.68 17.32,42.48 18.37,41.43 28.98,41.43 34.3,46.75 34.3,47.37 36.01,49.09 36.48,49.09 36.75,49.36 36.75,49.83 38.07,51.15 38.54,51.15 38.75,51.36 38.75,51.95 39,52.2 39,52.85 39.27,53.11 39.59,53.11 39.64,53.17 39.64,53.44 v1(39.7,53.5)
  Bottom Layer w0.1: v1(18.5,45.45) QSFP+ #4.24
QSFP4_RX4_P: length 39.6
  Top Layer w0.1: U1.AE12 40.36,52 40.13,52.23 39.97,52.23 v1(39.7,52.5)
  InLayer2 (Signal) w0.1: 39.64,52.44 v1(39.7,52.5) 39.64,52.56 39.64,52.83 39.59,52.89 39.36,52.89 39.22,52.75 39.22,52.11 38.98,51.86 38.98,51.26 38.64,50.93 38.16,50.93 36.98,49.74 36.98,49.26 36.57,48.86 36.11,48.86 34.53,47.28 34.53,46.65 29.08,41.2 18.28,41.2 17.1,42.39 17.1,44.1 17.04,44.16 16.87,44.16 16.74,44.29 16.74,44.67 16.87,44.81 17.42,44.81 17.42,45.01 17.29,45.01 17.1,45.2 17.1,46 17.5,46.41 17.83,46.41 17.83,46.48 18.03,46.48 18.03,46.41 18.66,46.41 19.01,46.05 19.01,45.57 19.08,45.51 19.24,45.51 v1(19.3,45.45)
  Bottom Layer w0.1: v1(19.3,45.45) QSFP+ #4.25
QSFP4_TX1_N: length 36.8
  Top Layer w0.1: v1(35.9,53.44) 35.93,53.44 36.37,53 U1.AJ11
  InLayer2 (Signal) w0.1: v1(28.9,47.7) 28.84,47.64 28.68,47.64 28.61,47.58 28.61,47.4 27.71,46.5 27.67,46.5 27.61,46.44 27.61,45.83 27.48,45.7 27.09,45.7 26.96,45.83 26.96,47.12 26.76,47.12 26.76,45.68 26.63,45.55 26.24,45.55 26.11,45.68 26.11,46.69 25.91,46.69 25.91,46.69 25.72,46.5 23.37,46.5 23.37,46.35 23.17,46.35 23.17,46.5 22.97,46.5 22.97,46.27 22.77,46.27 22.77,46.5 21.51,46.5 21.45,46.44 21.45,46.36 22,45.81 22.08,45.81 22.21,45.94 22.39,45.94 22.67,45.66 22.67,45.48 22.54,45.35 22.54,45.27 23.56,44.25 28.83,44.25 31.57,46.99 31.57,48.1 34.37,50.89 34.37,52.34 34.66,52.64 35.32,52.64 35.38,52.69 35.38,52.92 35.57,53.11 35.84,53.11 35.84,53.38 v1(35.9,53.44)
  Bottom Layer w0.1: QSFP+ #4.37 v1(28.9,47.7)
QSFP4_TX1_P: length 36.9
  Top Layer w0.1: U1.AJ12 36.36,52 35.93,52.43 v1(35.89,52.43)
  InLayer2 (Signal) w0.1: v1(35.89,52.43) 35.9,52.44 35.9,52.83 35.84,52.89 35.66,52.89 35.6,52.83 35.6,52.6 35.41,52.41 34.75,52.41 34.59,52.25 34.59,50.8 31.8,48.01 31.8,46.89 28.92,44.02 23.47,44.02 22.31,45.17 22.31,45.44 22.44,45.57 22.3,45.71 22.17,45.58 21.9,45.58 21.22,46.27 21.22,46.53 21.41,46.73 25.63,46.73 25.69,46.78 25.69,46.79 25.82,46.92 26.2,46.92 26.34,46.79 26.34,45.78 26.54,45.78 26.54,47.22 26.67,47.35 27.05,47.35 27.19,47.22 27.19,45.93 27.39,45.93 27.39,46.53 27.58,46.73 27.62,46.73 27.86,46.96 27.77,47.05 27.91,47.2 28,47.11 28.39,47.49 28.39,47.58 28.32,47.64 28.16,47.64 v1(28.1,47.7)
  Bottom Layer w0.1: QSFP+ #4.36 v1(28.1,47.7)
